# Altium PCB Metis 2023 (PCB) - Main.PcbDoc (part 2 of 2)
Units mm, origin at the board's own origin, x right, y up, seen from the top; angles counter-clockwise.
Board outline 177.99 x 118.99 mm, 2 copper layers (Top Layer, Bottom Layer); 121 components, 124 nets, 578 pads, 112 vias.
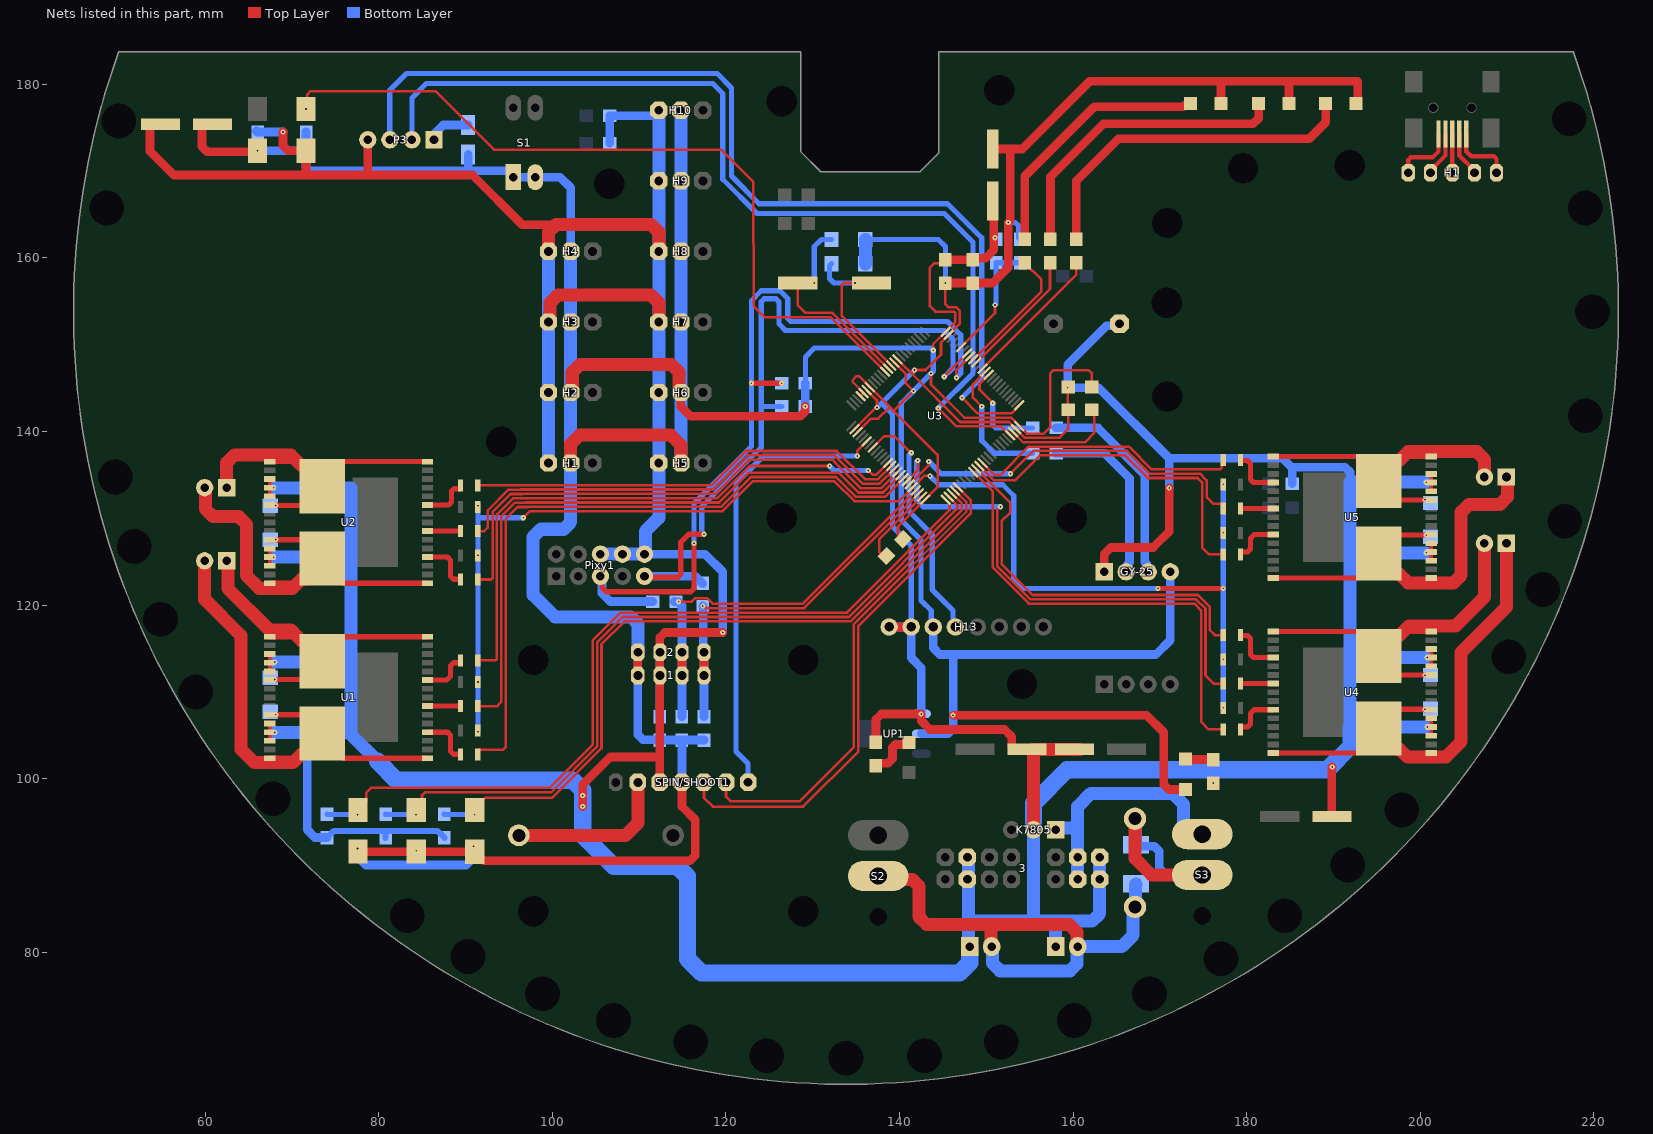
[diagram p2: the nets of this part, all layers, seen from the top]

## Via types
v1: diameter 0.6, hole 0.2, Top Layer to Bottom Layer, 112 vias

## Nets (pads, with @x,y where several pads share a name; then routed paths per layer and width w, separated by ;. In a path a pad name is that pad's centre, name@x,y a point inside that pad or via, vN(x,y) a via of type N, cw(c..) or ccw(c..) an arc to the next point about the centre after c; other vN are vias at no path point) (continued)
GND: 1.3 2.3 3.3 3.4 3.15 3.16 5.- C1.2 C3.2 C4.2 C5.2 C6.1 C7.2 C8.2 C9.2 C10.2 C11.2 C12.2 C13.2 C17.2 D3.2 D4.2 D5.2 GY-25.1 H1.1@99.568,136.357 H2.1 H3.1 H4.1 H5.1 H6.1 H7.1 H8.1 H9.1 H10.1 H11.1 H12.63 H13.1 H13.2 K7805.2 P3.4 Pixy1.6 Pixy1.8 Pixy1.10 R14.1 R18.1 R30.1 R40.2 R41.2 R42.1 R43.1 R44.1 R46.1 SPIN/SHOOT1.2 SW2.2 U1.18 U1.19 U1.20 U1.26 U1.27 U1.28 U2.18 U2.19 U2.20 U2.26 U2.27 U2.28 U3.10 U3.20 U3.27 U3.74 U3.99 U4.18 U4.19 U4.20 U4.26 U4.27 U4.28 U5.18 U5.19 U5.20 U5.26 U5.27 U5.28 UP1.1 | length 917.6
  Top Layer w0.3: U3.27@134.812,140.27 137.414,142.872 137.414,143.579 U3.20@136.226,144.767 ; U3.10@139.762,148.303 140.974,147.091 ; 140.989,147.074 141.356,146.707 ; v1(145.288,157.099) 145.288,154.686 145.669,154.305 146.558,154.305 146.939,153.924 146.939,152.397 U3.99@145.673,151.131 144.78,150.238 144.78,148.844 143.01,147.074 v1(141.724,147.074) 141.356,146.707 ; C9.2@159.432,145.121 159.385,145.074 v1(159.385,145.034) 159.385,142.541 C8.2@159.432,142.494 159.432,140.255 158.464,139.287 156.885,139.287 156.852,139.254 154.468,139.254 U3.74@153.451,140.27 153.013,140.708 152.999,140.708 152.618,141.089 146.974,141.089 141.356,146.707
  Top Layer w0.381: U1.28@67.427,104.353 U1.27@67.427,105.353 U1.26@67.427,106.353 ; U1.20@67.427,112.353 U1.19@67.427,113.353 U1.18@67.427,114.353 ; U2.28@67.427,124.52 U2.27@67.427,125.52 U2.26@67.427,126.52 ; U2.20@67.427,132.52 U2.19@67.427,133.52 U2.18@67.427,134.52 ; U4.18@201.275,104.944 U4.19@201.275,105.944 U4.20@201.275,106.944 ; U4.26@201.275,112.944 U4.27@201.275,113.944 U4.28@201.275,114.944 ; U5.18@201.276,125.111 U5.19@201.276,126.111 U5.20@201.276,127.111 ; U5.26@201.276,133.111 U5.27@201.276,134.111 U5.28@201.276,135.111
  Top Layer w1: C1.2@53.642,175.387 53.642,172.291 56.388,169.545 71.628,169.545 ; v1(68.961,174.498) 68.961,172.938 69.547,172.352 SW2.2@71.628,172.352 71.628,169.545 ; P3.4@78.74,173.609 78.74,169.545 ; 100.447,163.83 96.52,163.83 90.805,169.545 78.74,169.545 ; v1(103.505,96.774) v1(103.505,98.044) 103.505,99.314 106.68,102.489 112.395,102.489 ; SPIN/SHOOT1.2@112.395,99.568 112.395,102.489 ; v1(119.634,116.84) 112.981,116.84 112.395,116.254 112.395,102.489 ; R14.1@137.287,104.187 137.287,106.807 137.922,107.442 v1(142.494,107.442) 142.494,106.68 143.51,105.664 152.096,105.664 152.936,104.824 152.936,103.528 153.086,103.378 C5.2@154.686,103.378 ; H13.1@138.811,117.475 H13.2@141.351,117.475 ; v1(145.288,157.099) C6.1@148.421,157.099 150.749,157.099 152.527,158.877 v1(152.527,164.084) 152.781,164.338 152.781,172.545 ; C4.2@150.749,172.545 152.781,172.545 ; GY-25.1@163.576,123.825 163.576,125.857 164.338,126.619 169.213,126.619 171.069,128.475 v1(171.069,133.477) ; D3.2@177.038,177.8 177.038,180.086 177.292,180.34 ; D4.2@184.884,177.8 184.884,180.34 ; C10.2@189.817,95.631 189.817,101.298 v1(189.865,101.346) ; D5.2@192.603,177.8 192.786,177.983 192.786,180.34 184.884,180.34 ; 71.628,169.545 78.74,169.545 ; 152.781,172.545 154.13,172.545 161.925,180.34 177.038,180.34 177.292,180.34 ; 177.292,180.34 184.884,180.34
  Top Layer w1.5: H3.1@99.568,152.613 99.757,152.803 99.757,154.823 100.636,155.702 111.389,155.702 112.268,154.823 H7.1@112.268,152.613 ; H4.1@99.568,160.741 99.568,162.951 100.447,163.83 111.389,163.83 112.268,162.951 H8.1@112.268,160.741 ; C5.2@155.348,103.378 C7.2@160.147,103.378 C7.2@160.782,103.378 ; K7805.2@155.448,94.107 C5.2@155.448,103.278
  Bottom Layer w0.5: 76.654,113.443 76.781,113.57 ; 76.654,125.508 76.781,125.635
  Bottom Layer w0.6: C12.2@136.062,162.114 144.464,162.114 145.288,161.29 v1(145.288,157.099) ; v1(137.414,142.748) 137.922,143.256 ; H13.2@141.351,117.475 141.351,126.873 139.192,129.032 139.192,141.986 137.922,143.256 ; v1(141.724,147.074) 141.724,147.058 137.922,143.256 ; v1(152.527,164.084) 153.338,164.084 153.699,163.723 153.699,162.357 C17.2@153.924,162.132
  Bottom Layer w0.7: R44.1@74.466,93.608 74.838,93.98 80.797,93.98 ; R43.1@80.797,93.183 80.797,93.98 ; R42.1@87.554,93.183 87.554,93.233 87.179,93.608 87.129,93.608 86.757,93.98 80.797,93.98
  Bottom Layer w1: R46.1@65.911,174.625 R46.1@66.04,174.496 68.959,174.496 v1(68.961,174.498) ; 71.501,105.315 71.755,105.061 71.755,94.107 72.644,93.218 74.006,93.218 R44.1@74.041,93.183 ; R40.2@106.6,173.187 R41.2@106.6,176.362 111.426,176.362 112.061,176.997 H10.1@112.268,176.997 ; Pixy1.10@110.617,125.857 117.602,125.857 119.634,123.825 v1(119.634,116.84) ; C13.2@112.395,107.141 2.3@112.395,114.173 ; H13.1@138.811,117.475 H13.2@141.351,117.475 141.351,113.919 142.519,112.751 UP1.1@142.519,107.456 ; 5.-@165.354,152.4 165.119,152.165 163.849,152.165 159.385,147.701 v1(159.385,145.034) 162.941,145.034 171.069,136.906 ; v1(171.069,133.477) 171.069,136.906 ; v1(176.149,99.488) 176.149,100.885 176.276,101.012 ; R30.1@185.246,133.985 185.246,135.81 185.166,135.89 ; 191.921,134.149 191.921,135.304 191.336,135.89 185.166,135.89 ; 171.069,136.906 184.15,136.906 185.166,135.89
  Bottom Layer w1.5: v1(67.891,125.508) 76.654,125.508 ; v1(67.891,133.509) 76.781,133.509 76.781,125.635 76.781,113.57 76.781,105.315 ; v1(68.018,105.315) 71.501,105.315 76.781,105.315 ; v1(68.018,113.443) 76.654,113.443 ; 79.883,101.981 76.781,105.083 76.781,105.315 ; H1.1@99.568,136.357 H2.1@99.568,144.485 H3.1@99.568,152.613 H4.1@99.568,160.741 ; Pixy1.6@105.537,125.857 Pixy1.8@108.077,125.857 Pixy1.10@110.617,125.857 110.713,125.953 110.713,128.493 112.268,130.048 H5.1@112.268,136.357 H6.1@112.268,144.485 H7.1@112.268,152.613 H8.1@112.268,160.741 H9.1@112.268,168.869 H10.1@112.268,176.997 ; C11.2@136.062,159.32 C12.2@136.062,162.114 ; 3.4@147.828,90.932 147.955,90.805 147.955,83.693 ; H11.1@148.082,80.645 147.955,80.772 147.955,83.693 ; K7805.2@155.448,94.107 155.448,83.566 ; H12.63@157.988,80.645 157.988,83.312 157.734,83.566 ; 3.16@163.068,90.932 3.15@163.068,88.392 163.068,84.445 162.189,83.566 157.734,83.566 ; v1(200.684,126.021) 192.048,126.021 191.921,125.894 ; v1(200.684,134.149) 191.921,134.149 191.921,125.894 ; v1(200.811,105.955) 191.921,105.955 191.921,113.829 ; v1(200.811,113.956) 192.048,113.956 191.921,113.829 ; 147.955,83.693 148.082,83.566 155.448,83.566 ; 155.448,83.566 157.734,83.566 ; 191.921,113.829 191.921,125.894
  Bottom Layer w2: 79.883,101.981 82.042,99.822 102.333,99.822 103.505,98.65 v1(103.505,98.044) v1(103.505,96.774) 103.505,93.472 107.061,89.916 114.398,89.916 115.57,88.744 115.57,79.248 117.221,77.597 146.91,77.597 148.082,78.769 H11.1@148.082,80.645 ; K7805.2@155.448,94.107 155.448,97.155 159.305,101.012 176.276,101.012 189.277,101.012 192.024,103.759 192.024,105.852
GY_RX: GY-25.3 R32.2 | length 23.8
  Bottom Layer w1: R32.2@158.043,140.409 162.867,140.409 168.275,135.001 168.275,124.911 168.465,124.721 168.465,124.016 GY-25.3@168.656,123.825
GY_TX: GY-25.2 R33.2 | length 20.6
  Bottom Layer w1: R33.2@158.043,137.488 163.629,137.488 166.497,134.62 166.497,124.911 166.307,124.721 166.307,124.016 GY-25.2@166.116,123.825
ID_Select: C17.1 C18.1 U3.95 | length 14.2
  Top Layer w0.3: U3.95@147.088,149.717 151.003,153.632 v1(151.003,154.559)
  Bottom Layer w0.6: v1(151.003,154.559) 151.13,154.686 C18.1@151.13,159.432 C17.1@153.924,159.432
INA1: R6.1 U3.41 | length 60.7
  Top Layer w0.3: R6.1@91.408,122.932 91.412,122.936 92.939,122.936 93.115,123.112 93.115,130.707 95.199,132.791 96.562,132.791 96.581,132.81 118.806,132.81 122.743,136.747 132.287,136.747 132.588,136.446 132.588,136.398 135.509,133.477 137.919,133.477 U3.41@139.762,135.32
INA2: R1.1 U3.43 | length 79.8
  Top Layer w0.3: R1.1@91.408,102.765 91.408,103.165 91.558,103.315 94.298,103.315 94.615,103.632 94.615,129.921 95.985,131.291 97.183,131.291 97.202,131.31 119.427,131.31 122.356,134.239 122.872,134.755 132.707,134.755 133.223,134.239 135.001,132.461 138.317,132.461 139.294,133.438 U3.43@140.469,134.613
INA3: R23.1 U3.61 | length 43.5
  Top Layer w0.3: U3.61@148.855,135.674 152.781,131.748 152.781,130.683 151.765,129.667 151.765,124.714 155.321,121.158 174.388,121.158 175.768,119.778 175.768,117.094 176.33,116.532 R23.1@177.294,116.532
INA4: R28.1 U3.63 | length 31.6
  Top Layer w0.3: U3.63@149.562,136.381 150.942,135.001 151.638,135.001 154.891,138.254 166.419,138.254 169.037,135.636 176.911,135.636 177.144,135.869 177.144,136.549 R28.1@177.294,136.699
INA_1: R6.2 U2.4 | length 6
  Top Layer w0.6: U2.4@85.627,125.52 87.914,125.52 88.265,125.169 88.265,123.317 88.616,122.966 89.408,122.966 R6.2@89.408,122.932
INA_2: R1.2 U1.4 | length 6
  Top Layer w0.6: U1.4@85.627,105.353 87.914,105.353 88.265,105.002 88.265,103.15 88.616,102.799 89.408,102.799 R1.2@89.408,102.765
INA_3: R23.2 U4.4 | length 6
  Top Layer w0.6: R23.2@179.294,116.532 179.294,116.498 180.086,116.498 180.437,116.147 180.437,114.295 180.789,113.944 U4.4@183.075,113.944
INA_4: R28.2 U5.4 | length 6
  Top Layer w0.6: R28.2@179.294,136.699 179.294,136.665 180.086,136.665 180.437,136.314 180.437,134.462 180.789,134.111 U5.4@183.076,134.111
INB1: R10.1 U3.39 | length 51.3
  Top Layer w0.3: R10.1@91.408,133.791 96.148,133.791 96.166,133.81 118.391,133.81 122.328,137.747 132.763,137.747 136.017,134.493 137.521,134.493 U3.39@139.055,136.027
INB2: R5.1 U3.38 | length 67.3
  Top Layer w0.3: R5.1@91.408,113.624 93.439,113.624 93.615,113.8 93.615,130.445 95.461,132.291 96.769,132.291 96.788,132.31 119.013,132.31 122.72,136.017 v1(131.953,136.017) ; v1(136.398,135.509) 136.443,135.509 136.951,135.001 137.321,135.001 U3.38@138.701,136.381
  Bottom Layer w0.6: v1(131.953,136.017) 132.461,135.509 v1(136.398,135.509)
INB3: R19.1 U3.60 | length 53.7
  Top Layer w0.3: U3.60@148.502,135.32 150.749,133.073 150.749,124.316 154.907,120.158 173.974,120.158 174.752,119.38 174.752,106.553 175.632,105.673 R19.1@177.294,105.673
INB4: R24.1 U3.62 | length 39.1
  Top Layer w0.3: U3.62@149.209,136.027 150.87,134.366 153.289,134.366 156.177,137.254 166.005,137.254 168.623,134.636 174.355,134.636 174.879,134.112 174.879,126.619 175.658,125.84 R24.1@177.294,125.84
INB_1: R10.2 U2.10 | length 5.7
  Top Layer w0.6: U2.10@85.627,131.52 88.041,131.52 88.392,131.872 88.392,133.126 88.658,133.391 89.408,133.391 R10.2@89.408,133.791
INB_2: R5.2 U1.10 | length 5.6
  Top Layer w0.6: U1.10@85.627,111.353 87.832,111.353 88.265,111.786 88.265,112.992 88.616,113.343 89.408,113.343 R5.2@89.408,113.624
INB_3: R19.2 U4.10 | length 5.7
  Top Layer w0.5: U4.10@182.993,107.861 U4.10@183.075,107.944
  Top Layer w0.6: R19.2@179.294,105.673 179.294,105.954 180.086,105.954 180.437,106.305 180.437,107.511 180.87,107.944 U4.10@183.075,107.944
INB_4: R24.2 U5.10 | length 5.6
  Top Layer w0.6: R24.2@179.294,125.84 179.294,126.121 180.086,126.121 180.437,126.472 180.437,127.678 180.87,128.111 U5.10@183.076,128.111
LED1: D2.2 R18.2 | length 3.2
  Top Layer w1: D2.2@172.974,102.235 172.998,102.211 176.125,102.211 R18.2@176.149,102.188
LED2: D1.2 R14.2 | length 5.7
  Top Layer w1: R14.2@137.287,101.487 137.287,101.537 137.512,101.762 138.672,101.762 139.192,102.282 139.192,103.601 139.528,103.937 140.847,103.937 D1.2@141.097,104.187
LED3: D3.1 R15.1 | length 29.9
  Top Layer w1: R15.1@154.432,162.132 154.432,169.418 162.433,177.419 172.702,177.419 172.833,177.55 173.288,177.55 D3.1@173.538,177.8
LED4: D4.1 R16.1 | length 35.7
  Top Layer w1: R16.1@157.395,162.132 157.395,169.333 163.506,175.444 180.728,175.444 181.384,176.1 D4.1@181.384,177.8
LED5: D5.1 R17.1 | length 40.4
  Top Layer w1: R17.1@160.359,162.132 160.359,168.868 165.227,173.736 187.198,173.736 189.103,175.641 D5.1@189.103,177.8
LED_1: 
LED_2: 
LED_3: R15.2 U3.91 | length 15.2
  Top Layer w0.3: U3.91@148.502,148.303 156.337,156.138 156.337,157.527 R15.2@154.432,159.432
LED_4: R16.2 U3.90 | length 15
  Top Layer w0.3: U3.90@148.855,147.949 157.345,156.439 157.345,159.382 R16.2@157.395,159.432
LED_5: R17.2 U3.88 | length 16.7
  Top Layer w0.3: U3.88@149.562,147.242 160.359,158.038 R17.2@160.359,159.432
LED_6: 
MOTORS_EN: R2.1 R4.1 R7.1 R9.1 R20.1 R22.1 R25.1 R27.1 U3.46 | length 152.6
  Top Layer w0.3: v1(96.647,130.048) 97.409,130.81 119.634,130.81 123.079,134.255 132.5,134.255 134.794,131.961 139.938,131.961 U3.46@141.53,133.552 142.851,134.874 v1(143.51,134.874)
  Top Layer w0.6: v1(169.799,121.92) v1(177.292,121.92)
  Bottom Layer w0.6: v1(91.44,105.41) v1(91.44,111.125) v1(91.44,125.73) 91.44,130.048 ; v1(91.44,131.445) 91.44,130.048 ; v1(96.647,130.048) 91.44,130.048 ; v1(143.51,134.874) 144.526,133.858 151.892,133.858 153.162,132.588 153.162,122.936 154.178,121.92 v1(169.799,121.92) ; v1(177.294,108.15) v1(177.294,113.738) v1(177.294,133.905)
  other v1: 177.294,128.317
NRST: R45.2 SW2.1 U3.14 | length 90.2
  Top Layer w0.3: v1(71.628,177.152) 71.765,177.289 71.765,178.826 72.144,179.205 86.534,179.205 93.273,172.466 119.452,172.466 123.145,168.773 123.145,161.625 123.19,161.58 123.19,154.432 124.46,153.162 132.074,153.162 U3.14@138.348,146.888
OSC_IN: C11.1 U3.12 Y1.2 | length 20.1
  Top Layer w0.3: Y1.2@136.776,157.099 v1(134.874,157.099) 133.526,157.099 133.35,156.923 133.35,153.3 U3.12@139.055,147.595
  Bottom Layer w0.6: C11.1@132.162,159.32 131.953,159.111 131.953,157.607 132.461,157.099 v1(134.874,157.099)
OSC_OUT: C12.1 U3.13 Y1.1 | length 22.5
  Top Layer w0.3: Y1.1@128.276,157.099 128.276,154.553 129.159,153.67 132.273,153.67 U3.13@138.701,147.242
  Bottom Layer w0.6: v1(130.175,157.099) 130.175,161.29 130.999,162.114 C12.1@132.162,162.114
OUT_1A: 11.1 P1.2 U1.1 U1.25 U1.30 U1.HS2 | length 56.4
  Top Layer w0.6: U1.30@67.427,102.353 70.642,102.353 71.042,102.353 U1.HS2@71.512,102.823 ; U1.25@67.427,107.353 U1.HS2@71.312,107.353 ; U1.HS2@73.477,104.788 75.911,102.353 U1.1@85.627,102.353
  Top Layer w1.5: P1.2@59.944,125.095 59.944,120.65 64.135,116.459 64.135,103.378 65.659,101.854 70.143,101.854 70.642,102.353 71.112,102.823 71.512,102.823 71.602,102.823 73.477,104.698 73.477,104.788 U1.HS2@73.477,105.188
  other v1: 68.145,107.347
OUT_1B: 11.2 P1.1 U1.15 U1.16 U1.21 U1.HS3 | length 40.6
  Top Layer w0.6: U1.16@67.427,116.353 69.901,116.353 70.642,116.353 ; U1.21@68.019,111.353 68.077,111.411 71.37,111.411 U1.HS3@73.477,113.518 ; U1.HS3@73.477,113.919 75.911,116.353 U1.15@85.627,116.353
  Top Layer w1.5: P1.1@62.484,125.095 62.611,124.968 62.611,121.91 67.427,117.094 69.901,117.094 70.642,116.353 71.112,115.883 71.602,115.883 73.477,114.008 73.477,113.919 U1.HS3@73.477,113.518
  other v1: 68.018,111.411
OUT_2A: 12.1 P2.2 U2.1 U2.25 U2.30 U2.HS2 | length 49
  Top Layer w0.6: U2.30@67.427,122.52 70.042,122.52 70.642,122.52 71.042,122.52 71.512,122.99 73.477,124.955 75.911,122.52 U2.1@85.627,122.52 ; U2.25@67.427,127.52 U2.HS2@71.312,127.52
  Top Layer w1.5: P2.2@59.944,133.52 60.04,133.424 60.04,131.054 60.918,130.175 63.891,130.175 64.77,129.296 64.77,123.376 66.226,121.92 70.042,121.92 70.642,122.52 71.112,122.99 71.512,122.99 71.602,122.99 73.477,124.865 73.477,124.955 U2.HS2@73.477,125.355
  other v1: 68.145,127.54
OUT_2B: 12.2 P2.1 U2.15 U2.16 U2.21 U2.HS3 | length 39.4
  Top Layer w0.6: U2.21@67.427,131.52 v1@68.145,131.52 ; U2.16@67.427,136.52 70.642,136.52 ; v1(68.145,131.477) 71.269,131.477 U2.HS3@73.477,133.685 ; U2.HS3@73.477,134.086 75.911,136.52 U2.15@85.627,136.52
  Top Layer w1.5: P2.1@62.484,133.52 62.484,136.408 63.363,137.287 69.875,137.287 70.642,136.52 71.112,136.05 71.602,136.05 73.477,134.175 73.477,134.086 U2.HS3@73.477,133.685
OUT_3A: 7.2 9.1 U5.1 U5.25 U5.30 U5.HS2 | length 37.7
  Top Layer w0.6: U5.1@183.076,137.111 192.791,137.111 U5.HS2@195.226,134.676 ; U5.HS2@197.101,136.551 197.19,136.641 197.66,137.111 198.061,137.111 198.618,137.111 U5.30@201.276,137.111 ; U5.HS2@197.391,132.111 U5.25@201.276,132.111
  Top Layer w1.5: U5.HS2@195.226,134.276 195.226,134.676 195.226,134.766 197.101,136.641 197.19,136.641 197.591,136.641 198.061,137.111 198.618,137.668 201.276,137.668 206.512,137.668 207.391,136.789 7.2@207.391,134.747
  other v1: 200.557,132.117
OUT_3B: 7.1 9.2 U5.15 U5.16 U5.21 U5.HS3 | length 46.7
  Top Layer w0.6: U5.15@183.076,123.111 192.791,123.111 U5.HS3@195.226,125.545 ; U5.HS3@195.226,125.946 197.333,128.053 200.626,128.053 U5.21@200.684,128.111
  Top Layer w1.5: U5.HS3@195.226,125.946 195.226,125.456 197.101,123.581 197.591,123.581 198.616,122.555 203.845,122.555 204.724,123.434 204.724,130.693 205.603,131.572 209.167,131.572 210.045,132.451 210.045,134.633 7.1@209.931,134.747
  other v1: 200.684,128.053
OUT_4A: 6.2 8.1 U4.1 U4.25 U4.30 U4.HS2 | length 45.6
  Top Layer w0.6: U4.1@183.075,116.944 192.791,116.944 195.225,114.509 197.19,116.474 197.66,116.944 198.06,116.944 U4.30@201.275,116.944 ; U4.HS2@197.39,111.944 U4.25@201.275,111.944
  Top Layer w1.5: U4.HS2@195.225,114.109 195.225,114.509 195.225,114.599 197.1,116.474 197.19,116.474 197.59,116.474 198.06,116.944 198.719,117.602 204.089,117.602 207.391,120.904 6.2@207.391,127.111
  other v1: 200.557,111.924
OUT_4B: 6.1 8.2 U4.15 U4.16 U4.21 U4.HS3 | length 57
  Top Layer w0.6: U4.15@183.075,102.944 192.791,102.944 U4.HS3@195.225,105.378 ; U4.HS3@195.225,105.779 197.433,107.987 v1(200.557,107.987) ; v1@200.557,107.944 U4.21@201.275,107.944
  Top Layer w1.5: U4.HS3@195.225,105.779 195.225,105.378 195.225,105.289 197.1,103.414 197.59,103.414 198.515,102.489 202.946,102.489 204.724,104.267 204.724,114.554 209.931,119.761 6.1@209.931,127.111
PWM1: R8.1 U3.40 | length 54.8
  Top Layer w0.3: R8.1@91.408,128.52 92.158,128.52 92.561,128.923 92.561,130.915 94.937,133.291 96.355,133.291 96.373,133.31 118.598,133.31 122.535,137.247 132.501,137.247 135.763,133.985 137.72,133.985 U3.40@139.408,135.674
PWM2: R3.1 U3.42 | length 74.1
  Top Layer w0.3: R3.1@91.408,108.353 91.43,108.331 93.599,108.331 94.115,108.847 94.115,130.183 95.723,131.791 96.976,131.791 96.995,131.81 119.22,131.81 122.665,135.255 132.969,135.255 135.255,132.969 138.118,132.969 U3.42@140.115,134.967
PWM3: R21.1 U3.44 | length 60.6
  Top Layer w0.3: U3.44@140.823,134.259 142.113,135.55 v1(142.113,136.652) ; v1(151.638,131.318) 151.257,130.937 151.257,124.515 155.114,120.658 174.181,120.658 175.26,119.579 175.26,111.887 176.203,110.944 R21.1@177.294,110.944
  Bottom Layer w0.6: v1(142.113,136.652) 141.986,136.525 141.986,132.08 142.748,131.318 v1(151.638,131.318)
PWM4: R26.1 U3.45 | length 43.2
  Top Layer w0.3: U3.45@141.176,133.906 143.359,136.089 143.359,136.501 v1(143.383,136.525) ; v1(152.781,135.128) 155.407,137.754 166.212,137.754 168.83,135.136 174.617,135.136 175.387,134.366 175.387,132.461 176.187,131.661 177.144,131.661 177.294,131.511 R26.1@177.294,131.111
  Bottom Layer w0.6: v1(143.383,136.525) 144.78,135.128 v1(152.781,135.128)
PWM_1: R8.2 U2.7 | length 3.8
  Top Layer w0.6: U2.7@85.627,128.52 R8.2@89.408,128.52
PWM_2: R3.2 U1.7 | length 3.8
  Top Layer w0.6: U1.7@85.627,108.353 R3.2@89.408,108.353
PWM_3: R21.2 U4.7 | length 3.8
  Top Layer w0.6: R21.2@179.294,110.944 U4.7@183.075,110.944
PWM_4: R26.2 U5.7 | length 3.8
  Top Layer w0.6: R26.2@179.294,131.111 U5.7@183.076,131.111
RX1: 
RX2: R33.1 U3.87 | length 15.4
  Top Layer w0.3: v1(149.479,142.875) 148.463,143.891 148.463,145.435 U3.87@149.916,146.888
  Bottom Layer w0.6: v1(149.479,142.875) 149.479,138.938 150.929,137.488 R33.1@155.343,137.488
RX3: 
SCL1: Pixy1.5 R35.1 R39.1 U3.92 | length 96.4
  Top Layer w0.3: v1(146.558,146.177) 146.558,147.066 U3.92@148.148,148.656
  Top Layer w0.6: Pixy1.5@105.537,123.317 105.709,123.145 105.709,122.002 106.172,121.539 115.981,121.539 116.332,121.89 v1(116.332,127.127) ; v1(122.936,145.542) v1(126.44,145.542)
  Bottom Layer w0.6: v1(116.332,127.127) 116.332,131.699 122.936,138.303 v1(122.936,145.542) 122.936,155.067 124.079,156.21 126.238,156.21 127.127,155.321 127.127,153.005 127.478,152.654 145.542,152.654 147.066,151.13 147.066,146.685 v1(146.558,146.177)
  Bottom Layer w1: Pixy1.5@105.537,123.317 105.728,123.126 105.728,121.348 106.68,120.396 R39.1@111.553,120.396
SCL2: 1.2 2.2 R38.1 R39.2 U3.47 | length 49.5
  Top Layer w0.3: v1(114.554,120.387) 116.051,120.387 116.441,120.777 117.856,120.777 118.491,120.142 128.826,120.142 U3.47@141.883,133.199
  Top Layer w1: 1.2@114.935,111.633 2.2@114.935,114.173
  Bottom Layer w1: R39.2@114.046,120.396 114.055,120.387 v1(114.554,120.387) ; R39.2@114.554,120.269 114.935,119.888 114.935,114.173 114.935,111.633 R38.1@114.935,107.141
SDA1: Pixy1.9 R34.1 R37.1 U3.93 | length 84.5
  Top Layer w0.3: v1(145.161,146.304) 145.161,146.376 U3.93@147.795,149.01
  Top Layer w0.6: Pixy1.9@110.617,123.317 110.744,123.19 114.457,123.19 114.808,123.541 114.808,127.254 115.697,128.143 v1(117.475,128.143)
  Bottom Layer w0.6: v1(117.475,128.143) 117.221,128.397 117.221,131.318 124.079,138.176 124.079,142.875 ; R34.1@126.44,142.875 124.079,142.875 ; v1(145.161,146.304) 146.177,147.32 146.177,150.622 145.161,151.638 126.873,151.638 126.111,152.4 126.111,154.932 125.76,155.283 124.43,155.283 124.079,154.932 124.079,142.875
  Bottom Layer w1: Pixy1.9@110.617,123.317 116.459,123.317 R37.1@117.323,122.453
SDA2: 1.1 2.1 R36.1 R37.2 U3.48 | length 45.8
  Top Layer w0.3: v1(117.348,119.888) 117.429,119.888 117.683,119.634 129.025,119.634 U3.48@142.237,132.845
  Top Layer w1: 1.1@117.475,111.633 2.1@117.475,114.173
  Bottom Layer w1: v1(117.348,119.888) 117.399,119.837 117.399,114.249 117.475,114.173 117.475,111.633 R36.1@117.475,107.141
SHOOT: SPIN/SHOOT1.4 U3.55 | length 59
  Top Layer w0.3: SPIN/SHOOT1.4@117.475,99.568 117.475,97.79 118.491,96.774 128.905,96.774 135.255,103.124 135.255,117.602 148.193,130.54 148.193,132.093 U3.55@146.734,133.552
SPIN: SPIN/SHOOT1.5 U3.54 | length 54.6
  Top Layer w0.3: SPIN/SHOOT1.5@120.015,99.568 120.015,97.917 120.523,97.409 128.524,97.409 134.747,103.632 134.747,117.801 147.693,130.747 147.693,131.886 U3.54@146.38,133.199
SW1: C14.2 R42.2 SW5.1 U3.53 | length 83.5
  Top Layer w0.3: SW5.1@91.059,96.38 91.059,96.68 92.009,97.63 92.103,97.63 92.263,97.79 99.949,97.79 105.664,103.505 105.664,115.498 108.292,118.126 134.365,118.126 147.193,130.954 147.193,131.679 U3.53@146.027,132.845
  Bottom Layer w0.6: R42.2@87.554,95.883 87.571,95.866 91.041,95.866 v1(91.059,95.848)
SW2: C15.2 R43.2 SW4.1 U3.52 | length 90.2
  Top Layer w0.3: v1(84.303,95.848) SW4.1@84.303,96.393 ; SW4.1@84.328,96.393 84.986,97.051 84.986,98.067 85.344,98.425 99.877,98.425 105.156,103.704 105.156,115.697 108.085,118.626 134.158,118.626 146.685,131.153 146.685,131.48 U3.52@145.673,132.492
  Bottom Layer w0.6: R43.2@80.797,95.883 80.815,95.866 84.285,95.866 v1(84.303,95.848)
SW3: C16.2 R44.2 SW3.1 U3.51 | length 94.4
  Top Layer w0.3: SW3.1@77.597,96.393 78.547,97.343 78.547,98.359 79.121,98.933 99.678,98.933 104.639,103.895 104.639,115.887 107.878,119.126 133.951,119.126 145.758,130.934 U3.51@145.758,131.686
  Bottom Layer w0.6: R44.2@74.041,95.883 74.059,95.866 77.529,95.866 v1(77.546,95.848)
SWCLK: P3.3 U3.76 | length 115.6
  Top Layer w0.3: v1(147.193,143.891) 148.995,142.089 152.881,142.089 153.791,142.999 U3.76@153.805,142.999
  Bottom Layer w0.6: P3.3@81.28,173.609 81.28,179.324 83.185,181.229 118.999,181.229 120.65,179.578 120.65,169.418 123.825,166.243 145.542,166.243 149.479,162.306 149.479,146.177 v1(147.193,143.891)
SWIO: P3.2 U3.72 | length 113.9
  Top Layer w0.3: v1(144.461,142.683) 144.461,142.674 146.546,140.589 151.718,140.589 U3.72@152.744,139.563
  Bottom Layer w0.6: P3.2@83.82,173.609 83.82,178.435 85.471,180.086 118.491,180.086 119.634,178.943 119.634,169.049 123.583,165.1 145.161,165.1 148.463,161.798 148.463,146.685 v1(144.461,142.683)
TX1: 
TX2: R32.1 U3.86 | length 11.6
  Top Layer w0.3: U3.86@150.269,146.535 149.225,145.49 149.225,144.826 150.749,143.302 v1(150.749,143.256)
  Bottom Layer w0.6: v1(150.749,143.256) 150.749,140.76 151.1,140.409 R32.1@155.343,140.409
TX3: 
USB1: ?.5@202.108,174.292 H1.1@198.628,169.799 | length 7.4
  Top Layer w0.5: H1.1@198.628,169.799 198.628,171.284 198.921,171.577 201.422,171.577 202.108,172.263 ?.5@202.108,174.292
USB2: ?.4 H1.2@201.168,169.799 | length 5.2
  Top Layer w0.5: H1.2@201.168,169.799 201.168,170.053 202.908,171.793 ?.4@202.908,174.292
USB3: ?.3 H1.3@203.708,169.799 | length 4.5
  Top Layer w0.5: H1.3@203.708,169.799 ?.3@203.708,174.292
USB4: ?.2 H1.4 | length 5.2
  Top Layer w0.5: ?.2@204.508,174.292 204.508,171.793 206.248,170.053 H1.4@206.248,169.799
USB5: ?.1 H1.5 | length 7.5
  Top Layer w0.5: ?.1@205.308,174.292 205.308,172.263 205.867,171.704 208.495,171.704 208.788,171.411 H1.5@208.788,169.799
USB6: 
VBat: D6.1 DC->DC.17 H11.2 H12.64 S2.2 | length 61.4
  Top Layer w1.5: S2.2@139.599,88.773 S2.2@137.541,88.773 137.924,88.39 141.48,88.39 142.24,87.63 142.24,84.064 143.119,83.185 150.495,83.185 ; H11.2@150.622,80.645 150.526,80.741 150.526,83.154 150.495,83.185 ; H12.64@160.528,80.645 160.432,80.741 160.432,82.306 159.554,83.185 150.495,83.185
  Bottom Layer w1.5: H11.2@150.622,80.645 150.718,80.549 150.718,78.73 151.596,77.851 159.649,77.851 160.432,78.634 160.432,80.549 H12.64@160.528,80.645 165.608,80.645 166.926,81.963 166.926,85.011 DC->DC.17@167.132,85.217 167.195,85.28 167.195,87.807 D6.1@167.259,87.87
VBOOST: SPIN/SHOOT1.6 U3.31 | length 52.4
  Top Layer w0.3: v1(135.128,137.16) 135.128,137.757 U3.31@136.226,138.856
  Bottom Layer w0.6: SPIN/SHOOT1.6@122.555,99.568 122.555,101.727 121.158,103.124 121.158,133.985 124.333,137.16 v1(135.128,137.16)
VCAP: C8.1 U3.73 | length 13.1
  Top Layer w0.3: U3.73@153.098,139.916 154.261,138.754 161.36,138.754 162.433,139.827 162.433,142.193 C8.1@162.132,142.494
VCAP2: C2.1 U3.49 | length 9.7
  Top Layer w0.3: C2.1@138.561,125.218 137.668,126.111 137.668,127.569 U3.49@142.59,132.492
VCC: 1.4 2.4 C1.1 C2.2 C3.1 C4.1 C6.2 C9.1 C13.1 C14.1 C15.1 C16.1 C18.2 D2.1 D7.2 GY-25.4 H1.2@102.108,136.357 H2.2 H3.2 H4.2 H5.2 H6.2 H7.2 H8.2 H9.2 H10.2 H13.3 R34.2 R35.2 R36.2 R38.2 R45.1 S1.1 S1.2 SPIN/SHOOT1.3 SW1.2 SW3.2 SW4.2 SW5.2 U3.11 U3.19 U3.21 U3.22 U3.28 U3.50 U3.75 U3.100 UP1.2 | length 543
  Top Layer w0.3: U3.28@135.166,139.916 136.727,141.478 137.541,141.478 138.882,142.819 ; U3.22@135.519,144.06 U3.21@135.873,144.414 134.616,145.67 134.616,145.919 135.067,146.37 135.316,146.37 136.419,145.267 136.433,145.267 U3.19@136.58,145.121 138.882,142.819 ; U3.11@139.408,147.949 140.278,147.079 140.701,146.655 140.701,145.557 v1(141.605,144.653) 139.326,142.374 ; C2.2@140.335,127.635 139.827,128.143 139.827,129.021 U3.50@142.944,132.138 144.399,133.593 144.399,137.302 139.326,142.374 ; v1(143.637,146.685) 143.637,145.415 147.463,141.589 152.839,141.589 U3.75@153.805,140.623 154.675,139.754 156.645,139.754 157.353,140.462 157.353,146.685 157.734,147.066 161.798,147.066 162.132,146.732 C9.1@162.132,145.121 ; v1(143.891,149.352) 143.891,150.056 U3.100@145.32,151.485 146.431,152.596 146.431,153.621 146.255,153.797 144.145,153.797 143.51,154.432 143.51,158.877 144.018,159.385 144.874,159.385 C3.1@145.288,159.799 ; 138.882,142.819 139.326,142.374
  Top Layer w1: C1.1@59.642,175.387 59.642,172.798 60.228,172.212 65.9,172.212 SW1.2@66.04,172.352 v1(66.04,172.339) ; SW3.2@77.597,91.593 77.603,91.586 91.053,91.586 SW5.2@91.059,91.58 91.059,91.28 91.659,90.68 91.959,90.68 92.088,90.551 115.873,90.551 116.459,91.137 116.459,95.25 114.935,96.774 SPIN/SHOOT1.3@114.935,99.568 ; 1.4@109.855,111.633 2.4@109.855,114.173 ; H6.2@114.808,144.485 114.813,144.48 114.813,142.87 115.951,141.732 128.554,141.732 129.14,142.318 v1(129.14,142.875) ; C3.1@145.288,159.799 C6.2@148.421,159.799 148.559,159.937 149.904,159.937 150.876,160.909 150.876,166.418 C4.1@150.749,166.545 ; v1(146.177,107.315) 168.451,107.315 170.434,105.332 170.434,99.321 171.02,98.735 D2.1@172.974,98.735
  Top Layer w1.5: H1.2@102.108,136.357 102.108,138.557 103.124,139.573 113.675,139.573 114.808,138.44 H5.2@114.808,136.357 ; H2.2@102.108,144.485 102.297,144.675 102.297,146.822 103.176,147.701 113.74,147.701 114.619,146.822 114.619,144.675 H6.2@114.808,144.485
  Bottom Layer w0.6: R35.2@129.14,145.542 129.159,145.561 129.159,148.59 130.175,149.606 143.637,149.606 v1(143.891,149.352) 143.891,146.939 v1(143.637,146.685) v1(141.605,144.653) 140.208,143.256 140.208,129.794 142.494,127.508 142.494,120.523 143.655,119.362 143.655,117.711 H13.3@143.891,117.475
  Bottom Layer w1: v1(66.04,172.339) 71.628,172.339 ; R45.1@71.628,174.496 71.628,172.339 ; v1(77.546,91.948) 77.596,91.948 77.921,91.623 77.921,90.629 78.507,90.043 84.303,90.043 ; C15.1@84.303,91.948 84.303,90.043 ; D7.2@90.297,171.909 90.297,170.053 ; C14.1@91.059,91.948 91.009,91.948 90.684,91.623 90.684,90.629 90.098,90.043 84.303,90.043 ; S1.1@95.504,169.291 S1.2@98.044,169.291 100.887,169.291 102.108,168.07 H4.2@102.108,160.741 ; S1.1@95.631,170.053 90.297,170.053 ; 2.4@109.855,114.173 109.855,111.633 109.855,105.075 110.441,104.489 112.17,104.489 112.218,104.441 C13.1@112.395,104.441 R38.2@114.935,104.441 ; SPIN/SHOOT1.3@114.935,99.568 R38.2@114.935,104.441 ; R36.2@117.475,104.441 R38.2@114.935,104.441 ; v1(129.14,142.875) R35.2@129.14,145.542 ; UP1.2@142.519,105.156 145.591,105.156 146.177,105.742 v1(146.177,107.315) 146.177,114.3 ; H13.3@143.891,117.475 143.891,115.062 144.653,114.3 146.177,114.3 ; GY-25.4@171.196,123.825 171.196,115.951 169.545,114.3 146.177,114.3 ; 71.628,172.339 71.628,170.434 72.009,170.053 90.297,170.053
  Bottom Layer w1.5: H4.2@102.108,160.741 H3.2@102.108,152.613 H2.2@102.108,144.485 H1.2@102.108,136.357 102.108,129.54 101.298,128.73 98.669,128.73 97.79,127.851 97.79,121.158 100.33,118.618 109.093,118.618 109.855,117.856 2.4@109.855,114.173 ; H5.2@114.808,136.357 H6.2@114.808,144.485 H7.2@114.808,152.613 H8.2@114.808,160.741 H9.2@114.808,168.869 H10.2@114.808,176.997
  other v1: 84.328,91.694 90.932,92.202 151.003,162.306
VCC_PROG: D7.1 P3.1 | length 4.8
  Bottom Layer w1: P3.1@86.042,173.927 87.425,175.309 D7.1@90.297,175.309
VIN: D6.2 DC->DC.18 S3.2 | length 26.4
  Top Layer w1.5: DC->DC.18@167.132,95.377 167.132,90.805 169.037,88.9 S3.2@174.879,88.9
  Bottom Layer w1: D6.2@167.259,92.37 167.427,92.202 169.34,92.202 169.926,91.616 169.926,89.662 170.688,88.9 S3.2@174.879,88.9
  Bottom Layer w1.5: DC->DC.18@167.132,95.377 167.195,95.314 167.195,92.433 D6.2@167.259,92.37
VKAF: H13.4 U3.33 | length 28.1
  Top Layer w0.3: U3.33@136.933,138.149 138.231,139.446 139.446,139.446 v1(141.351,137.541)
  Bottom Layer w0.6: v1(141.351,137.541) 141.097,137.287 141.097,130.81 143.764,128.143 143.764,121.793 146.182,119.375 146.182,117.724 H13.4@146.431,117.475
VSHOOT: 10.2 R11.1 SPIN/SHOOT1.1 | length 19
  Top Layer w1.5: R11.1@96.139,93.472 108.458,93.472 109.855,94.869 SPIN/SHOOT1.1@109.855,99.568
VSS: 3.13 3.14 K7805.1 S3.3 | length 29.6
  Bottom Layer w1.5: K7805.1@157.988,94.107 158.19,94.309 159.968,94.309 160.528,94.869 ; 3.13@160.528,88.392 3.14@160.528,90.932 160.528,94.869 ; S3.3@174.879,93.6 173.67,93.6 172.746,94.524 172.746,95.452 172.72,95.479 172.72,97.028 171.45,98.298 162.052,98.298 160.528,96.774 160.528,94.869
pads on no net: 3.1 3.2 3.7 3.8 3.11 3.12 4.1 4.2 4.3 4.4 ?. ?.5@199.258,174.392 ?.5@199.258,180.292 ?.5@208.158,174.392 ?.5@208.158,180.292 Pixy1.1 Pixy1.3 Pixy1.4 Pixy1.7 S2.1 S3.1 U1.2 U1.6 U1.8 U1.11 U1.14 U1.17 U1.22 U1.24 U1.29 U2.2 U2.6 U2.8 U2.11 U2.14 U2.17 U2.22 U2.24 U2.29 U3.1 U3.2 U3.3 U3.4 U3.5 U3.6 U3.7 U3.34 U3.35 U3.36 U3.37 U3.64 U3.65 U3.66 U3.67 U3.68 U3.69 U3.70 U3.71 U3.77 U3.78 U3.79 U3.80 U3.81 U3.82 U3.83 U3.84 U3.85 U3.96 U3.97 U3.98 U4.2 U4.6 U4.8 U4.11 U4.14 U4.17 U4.22 U4.24 U4.29 U5.2 U5.6 U5.8 U5.11 U5.14 U5.17 U5.22 U5.24 U5.29 UP1.4

## Other copper
Top Layer:
  text "METIS 2023" at 123.698,76.998 h3
  text "OPEN WEIGHT - V1.0" at 123.698,75.33 h1.6

## Silkscreen, mask and mechanical layers (free items; w line width, h text height)
Top Overlay:
  lines w0.254: 95.758,82.169 95.758,116.205 130.937,116.205 130.937,82.169 95.758,82.169 ; 143.637,85.979 164.719,85.979 164.719,95.123 143.637,95.123 143.637,85.979
  lines w0.3: 136.44,143.023 cw(c133.94,143.023) 131.44,143.023 131.44,145.523 125.44,145.523 125.44,162.523 131.44,162.523 131.44,165.023 cw(c133.94,165.023) 136.44,165.023 136.44,162.523 142.44,162.523 142.44,145.523 136.44,145.523 ; 123.44,127.023 123.44,181.023 167.84,181.023 167.84,168.023 173.84,168.023 173.84,140.023 167.84,140.023 167.84,127.023 123.44,127.023
Bottom Overlay:
  lines w0.3: 136.44,143.023 136.44,145.523
Top Solder:
  text "METIS 2023" at 123.698,76.998 h3
  text "OPEN WEIGHT - V1.0" at 123.698,75.33 h1.6
Mechanical 1:
  circle w0.3: c170.84,164.023 r1.5
  circle w0.3: c170.84,144.023 r1.5
  circle w0.3: c159.84,130.023 r1.5
  circle w0.3: c126.44,130.023 r1.5
  circle w0.3: c126.44,178.023 r1.5
  lines w0.254: 50.043,183.767 128.649,183.767 ; 128.651,183.767 128.651,172.212 130.937,169.926 142.367,169.926 144.526,172.085 144.526,183.767 ; 144.528,183.767 217.633,183.767 ; 46.609,146.304 53.213,139.7 91.059,139.7 96.012,144.653 96.012,161.544 90.551,167.005 54.61,167.005 46.609,159.004 46.609,146.304 ; 173.99,139.7 173.99,167.767 213.995,167.767 213.995,139.7 173.99,139.7
  lines w0.3: 50.043,183.767 ccw(c133.838,153.777) 217.633,183.767

## Text inside footprints (layer, text, board x,y; h text height)
C1: Top Overlay "+" at 59.964,176.487 h1
C4: Top Overlay "+" at 151.849,167.445 h1 r270
C5: Top Overlay "+" at 149.586,102.278 h1 r180
C7: Top Overlay "+" at 165.247,104.478 h1
C10: Top Overlay "+" at 184.717,94.531 h1 r180
Pixy1: Top Overlay "10" at 112.141,125.349 h1; Top Overlay "9" at 112.141,122.809 h1; Top Overlay "1" at 98.425,122.809 h1; Top Overlay "2" at 97.917,125.349 h1
S1: Top Overlay "ON" at 95.944,174.651 h1